# KiCad board EndGame.kicad_pcb (continued)
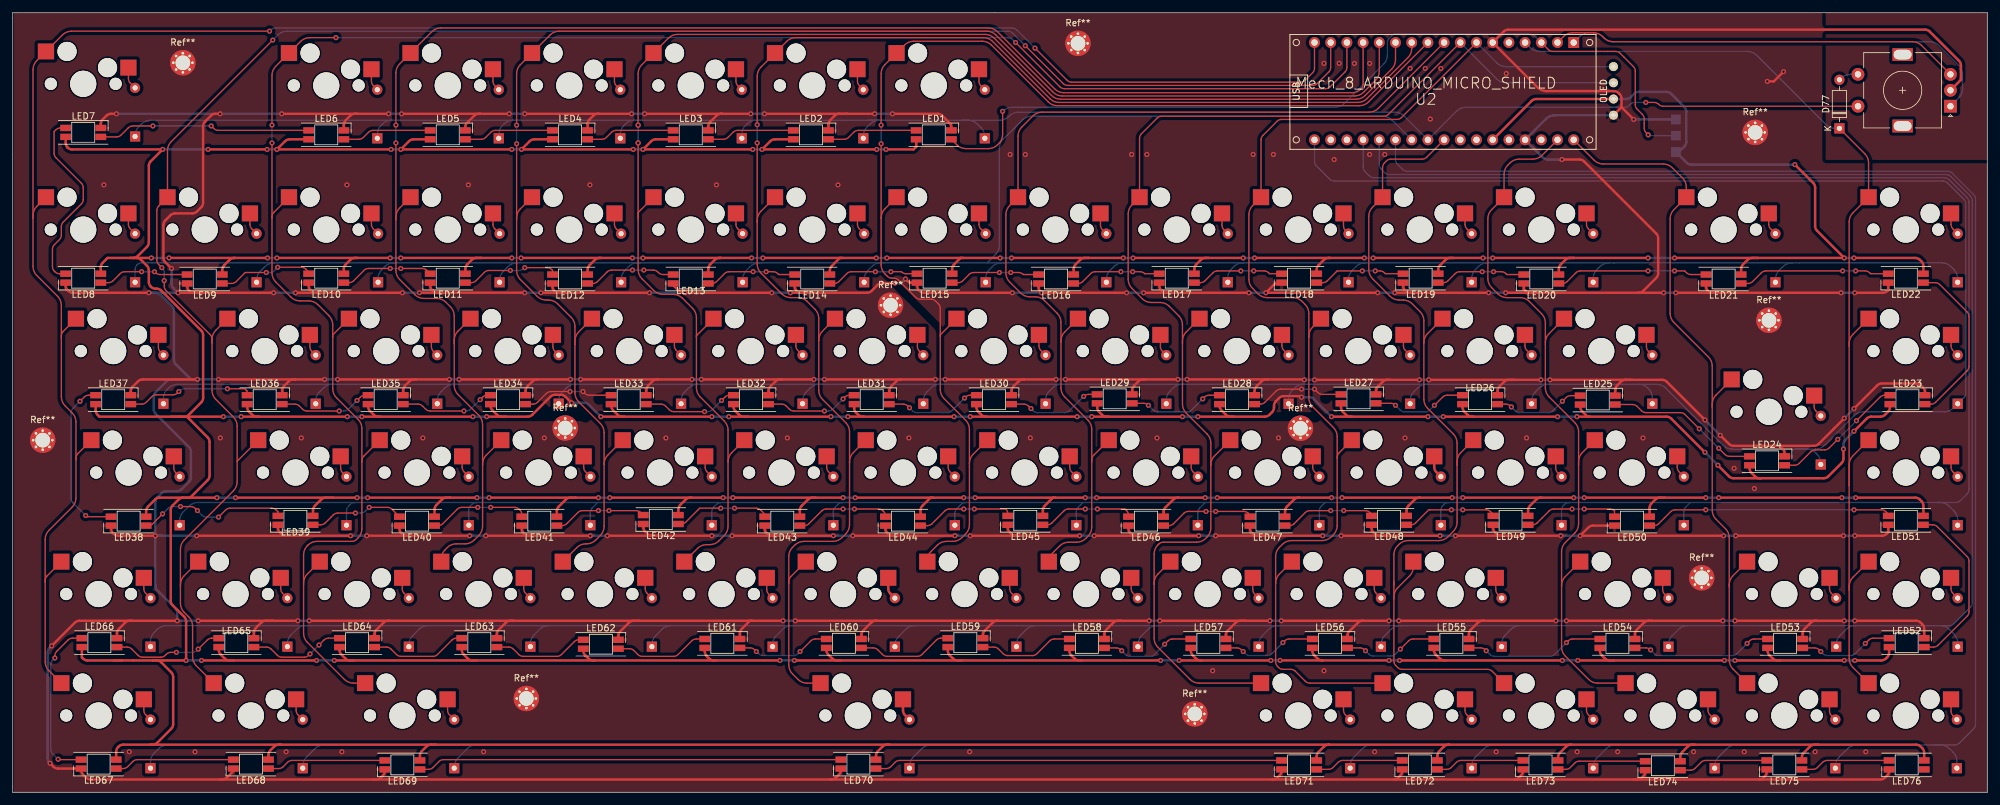
[diagram p0: board, top side]
## Routing (per net, layer and track width the routed paths; a pad name or vN(x,y) marks a point on that pad's centre or on a via; arc(x,y) is an arc through that point) (continued)
Col1: length 330.1
  Top w0.2: 7.62,71.22 7.62,62.01 arc(7.77,61.25) 8.21,60.6 9.32,59.48 arc(9.75,58.83) 9.91,58.07 9.91,52.17 ; 7.62,71.22 7.62,71.56 arc(7.7,71.95) 7.91,72.27 SW23.2 ; 7.62,71.22 7.62,76.36 arc(7.47,77.12) 7.03,77.77 3.76,81.04 arc(3.33,81.69) 3.17,82.46 3.17,90.01 ; 9.91,52.17 9.91,52.39 arc(9.98,52.77) 10.2,53.09 SW38.2 ; 9.91,52.17 9.91,46.14 arc(9.75,45.37) 9.32,44.72 5.67,41.07 arc(5.23,40.42) 5.08,39.65 5.08,32.99 ; 3.17,90.01 3.17,113.31 arc(3.33,114.08) 3.76,114.73 SW1.2 7.8,118.76 arc(8.45,119.2) 9.21,119.35 v1(40.26,119.35) ; 3.17,90.01 3.17,90.45 arc(3.33,91.22) 3.76,91.87 SW8.2 ; v1(160.27,116.68) 165.32,111.64 arc(165.64,111.42) 166.02,111.35 201.9,111.35 arc(202.28,111.42) 202.6,111.64 203.8,112.83 arc(204.01,113.16) 204.09,113.54 U2.12 ; 5.08,32.99 5.08,33.21 arc(5.16,33.59) 5.37,33.92 SW52.2 ; 5.08,32.99 5.08,20.48 arc(5.23,19.72) 5.67,19.07 7.62,17.11
  Bottom w0.2: v1(40.26,119.35) 40.47,119.56 arc(40.8,119.78) 41.18,119.86 156.68,119.86 arc(157.07,119.78) 157.39,119.56 v1(160.27,116.68)
Col2: length 308.1
  Top w0.2: 26.29,32.35 26.29,29.63 arc(26.44,28.86) 26.87,28.21 27.61,27.48 arc(28.04,26.83) 28.19,26.06 28.19,21.24 arc(28.35,20.48) 28.78,19.83 31.5,17.11 ; 26.29,32.35 26.29,32.54 arc(26.44,33.31) 26.87,33.96 SW53.2 ; 26.29,32.35 26.29,38.13 arc(26.44,38.89) 26.87,39.54 34.59,47.26 arc(35.03,47.91) 35.18,48.68 35.18,51.91 ; v1(23.37,82.26) 22.88,82.75 arc(22.66,83.08) 22.59,83.46 22.59,91.23 arc(22.66,91.61) 22.88,91.94 SW9.2 24.26,100.61 arc(24.41,101.38) 24.84,102.03 v1(40.77,117.95) ; 35.18,51.91 35.18,57.43 arc(35.03,58.2) 34.59,58.85 31.83,61.61 arc(31.39,62.26) 31.24,63.03 31.24,70.45 ; 35.18,51.91 SW39.2 ; SW24.2 31.83,72.44 arc(31.39,71.79) 31.24,71.02 31.24,70.83 ; 31.24,70.83 31.24,71.06 arc(31.17,71.44) 30.95,71.76 24.04,78.67 arc(23.83,78.99) 23.75,79.38 v1(23.75,80.23) ; 31.24,70.83 31.24,70.45 ; 31.24,71.15 31.24,70.45 ; 206.63,117.57 206.63,113.67 arc(206.55,113.28) 206.34,112.96 204.51,111.13 arc(204.18,110.92) 203.8,110.84 165.39,110.84 arc(165,110.92) 164.68,111.13 v1(158.75,117.06)
  Bottom w0.2: v1(23.37,82.26) 23.46,82.18 arc(23.67,81.85) 23.75,81.47 v1(23.75,80.23) ; v1(158.75,117.06) 156.76,119.06 arc(156.43,119.27) 156.05,119.35 42.99,119.35 arc(42.23,119.2) 41.58,118.76 v1(40.77,117.95)
Col3: length 312.6
  Top w0.2: 40.64,90.01 40.64,81.44 arc(40.79,80.68) 41.23,80.03 43.61,77.64 arc(44.26,77.21) 45.02,77.06 46.42,77.06 arc(47.18,76.91) 47.83,76.47 49.58,74.72 arc(50.01,74.07) 50.16,73.31 50.16,71.34 ; 40.64,90.01 v1(40.64,101.82) ; 40.64,90.01 40.64,90.23 arc(40.72,90.61) 40.93,90.94 SW10.2 ; 50.16,71.34 50.16,63.28 arc(50.32,62.52) 50.75,61.87 54.15,58.47 arc(54.58,57.82) 54.74,57.05 54.74,51.78 ; 50.16,71.34 50.16,71.72 SW25.2 ; 54.74,51.78 54.74,41.31 arc(54.58,40.54) 54.15,39.9 53.89,39.63 arc(53.56,39.41) 53.18,39.34 47.69,39.34 arc(46.93,39.19) 46.28,38.75 46.18,38.65 arc(45.75,38.01) 45.59,37.24 45.59,32.61 ; 54.74,51.78 54.74,52.01 arc(54.81,52.39) 55.03,52.71 SW40.2 ; 45.59,32.61 45.59,24.93 arc(45.75,24.16) 46.18,23.51 51.99,17.7 arc(52.64,17.27) 53.41,17.11 55.24,17.11 ; 45.59,32.61 45.59,32.79 arc(45.75,33.56) 46.18,34.21 SW54.2 ; v1(50.67,118.33) 46.55,118.33 arc(45.78,118.18) 45.13,117.75 SW2.2 41.23,113.84 arc(40.79,113.19) 40.64,112.42 v1(40.64,104.62) ; 209.17,117.57 209.17,113.67 arc(209.09,113.28) 208.88,112.96 206.54,110.62 arc(206.22,110.41) 205.83,110.33 164.88,110.33 arc(164.5,110.41) 164.17,110.62 v1(157.23,117.57)
  Bottom w0.2: v1(40.64,104.62) v1(40.64,101.82) ; v1(157.23,117.57) 156.76,118.04 arc(156.43,118.26) 156.05,118.33 v1(50.67,118.33)
Col4: length 268.5
  Top w0.2: 73.66,51.28 73.66,41.69 arc(73.51,40.93) 73.07,40.28 72.34,39.54 arc(71.69,39.11) 70.93,38.96 69.54,38.96 arc(68.77,38.81) 68.12,38.37 67.77,38.02 arc(67.34,37.37) 67.18,36.6 SW55.2 ; 73.66,51.28 73.66,51.46 arc(73.81,52.23) 74.25,52.88 SW41.2 ; 73.66,51.28 73.66,57.69 arc(73.51,58.45) 73.07,59.1 69.8,62.37 arc(69.37,63.02) 69.22,63.79 69.22,70.33 ; 60.07,89.76 60.07,90.2 arc(60.22,90.96) 60.66,91.61 SW11.2 ; 60.07,89.76 v1(60.07,101.82) ; 60.07,89.76 60.07,81.82 arc(60.22,81.06) 60.66,80.41 63.04,78.02 arc(63.69,77.59) 64.46,77.44 66.48,77.44 arc(67.25,77.29) 67.9,76.85 68.63,76.12 arc(69.06,75.47) 69.22,74.7 69.22,70.33 ; 69.22,70.33 69.22,70.89 arc(69.37,71.66) 69.8,72.31 SW26.2 ; U2.9 211.71,111 arc(211.63,110.62) 211.42,110.29 211.41,110.28 arc(210.76,109.85) 209.99,109.7 164.79,109.7 arc(164.02,109.85) 163.37,110.28 154.38,119.27 arc(153.73,119.7) 152.97,119.86 67.12,119.86 arc(66.36,119.7) 65.71,119.27 SW3.2 60.66,114.22 arc(60.22,113.57) 60.07,112.8 v1(60.07,104.62)
  Bottom w0.2: v1(60.07,104.62) v1(60.07,101.82)
Col5: length 249.5
  Top w0.2: 92.71,51.4 92.71,51.46 arc(92.86,52.23) 93.3,52.88 SW42.2 ; 92.71,51.4 92.71,41.69 arc(92.56,40.93) 92.12,40.28 91.39,39.54 arc(90.74,39.11) 89.98,38.96 89.86,38.96 arc(89.09,38.81) 88.44,38.37 SW56.2 ; 92.71,51.4 92.71,56.42 arc(92.56,57.18) 92.12,57.83 88.72,61.23 arc(88.29,61.88) 88.14,62.65 88.14,70.2 ; 88.14,70.2 88.14,73.05 arc(87.99,73.82) 87.55,74.47 85.42,76.6 arc(84.77,77.03) 84.01,77.18 83.63,77.18 arc(82.87,77.34) 82.22,77.77 79.58,80.41 arc(79.15,81.06) 78.99,81.82 78.99,89.88 ; 88.14,70.2 88.14,70.77 arc(88.29,71.53) 88.72,72.18 SW27.2 ; 214.25,117.57 214.25,113.06 arc(214.1,112.3) 213.66,111.65 211.79,109.77 arc(211.14,109.34) 210.37,109.19 164.53,109.19 arc(163.77,109.34) 163.12,109.77 154.13,118.76 arc(153.48,119.2) 152.71,119.35 85.66,119.35 arc(84.9,119.2) 84.25,118.76 79.58,114.09 arc(79.15,113.44) 78.99,112.68 v1(78.99,104.62) ; v1(78.99,101.7) 78.99,89.88 ; 78.99,89.88 78.99,90.07 arc(79.15,90.84) 79.58,91.49 81.41,93.31
  Bottom w0.2: v1(78.99,104.62) v1(78.99,101.7)
Col6: length 232.3
  Top w0.2: 112.14,51.78 112.14,56.8 arc(111.99,57.56) 111.56,58.21 107.77,61.99 arc(107.34,62.64) 107.19,63.41 107.19,71.34 ; 112.14,51.78 112.14,51.84 arc(112.29,52.61) 112.73,53.26 SW43.2 ; 112.14,51.78 112.14,41.69 arc(111.99,40.93) 111.56,40.28 110.69,39.42 arc(110.05,38.98) 109.28,38.83 108.78,38.83 arc(108.01,38.68) 107.36,38.24 SW57.2 ; SW28.2 107.19,71.6 107.19,71.34 ; 107.19,71.34 107.19,74.45 arc(107.04,75.22) 106.6,75.87 104.98,77.49 arc(104.33,77.92) 103.57,78.07 101.92,78.07 arc(101.16,78.23) 100.51,78.66 98.63,80.54 arc(98.2,81.18) 98.04,81.95 98.04,89.88 ; 98.04,89.88 98.04,90.27 ; 98.04,89.88 98.04,90.9 ; 100.46,93.31 98.04,90.9 ; 98.04,90.9 98.04,90.27 ; 98.04,90.27 v1(98.04,101.82) ; U2.7 216.79,114.84 arc(216.64,114.08) 216.2,113.43 212.04,109.27 arc(211.39,108.83) 210.63,108.68 164.28,108.68 arc(163.51,108.83) 162.86,109.27 153.87,118.25 arc(153.23,118.69) 152.46,118.84 104.21,118.84 arc(103.44,118.69) 102.79,118.25 98.63,114.09 arc(98.2,113.44) 98.04,112.68 v1(98.04,104.62)
  Bottom w0.2: v1(98.04,104.62) v1(98.04,101.82)
Col7: length 245.8
  Top w0.2: U2.6 219.33,116.62 arc(219.18,115.86) 218.74,115.21 212.29,108.76 arc(211.65,108.32) 210.88,108.17 164.02,108.17 arc(163.26,108.32) 162.61,108.76 153.62,117.75 arc(152.97,118.18) 152.21,118.33 122.75,118.33 arc(121.98,118.18) 121.33,117.75 SW6.2 117.3,113.71 arc(116.87,113.06) 116.71,112.3 v1(116.71,104.68) ; 131.19,51.66 131.19,41.94 arc(131.04,41.18) 130.61,40.53 130,39.92 arc(129.35,39.49) 128.58,39.34 124.02,39.34 arc(123.25,39.19) 122.6,38.75 122.25,38.4 arc(121.82,37.75) 121.67,36.99 121.67,32.73 ; 131.19,51.66 131.19,51.84 arc(131.34,52.61) 131.78,53.26 SW44.2 ; 131.19,51.66 131.19,56.54 arc(131.04,57.31) 130.61,57.96 126.95,61.61 arc(126.52,62.26) 126.36,63.03 126.36,70.83 ; 126.36,70.83 126.36,70.89 arc(126.52,71.66) 126.95,72.31 SW29.2 ; 126.36,70.83 126.36,74.32 arc(126.21,75.09) 125.78,75.74 124.54,76.98 arc(123.89,77.41) 123.12,77.57 121.99,77.57 arc(121.22,77.72) 120.57,78.15 117.3,81.42 arc(116.87,82.07) 116.71,82.84 116.71,89.38 ; 126.65,17.11 124.53,17.11 arc(123.76,17.27) 123.11,17.7 122.25,18.56 arc(121.82,19.21) 121.67,19.97 121.67,32.73 ; SW14.2 117.3,91.11 arc(116.87,90.46) 116.71,89.69 116.71,89.38 ; 121.67,32.73 121.67,33.08 arc(121.74,33.46) 121.96,33.79 SW58.2 ; v1(116.71,101.82) 116.71,89.38
  Bottom w0.2: v1(116.71,104.68) v1(116.71,101.82)
Col8: length 160.5
  Top w0.2: 162.43,36.16 162.43,36.51 arc(162.51,36.89) 162.73,37.22 164.13,38.63 arc(164.78,39.06) 165.55,39.21 166.81,39.21 arc(167.58,39.36) 168.23,39.8 168.58,40.15 arc(169.01,40.8) 169.16,41.56 169.16,51.78 ; 169.16,51.78 169.16,52.13 arc(169.24,52.51) 169.46,52.84 SW46.2 ; 169.16,51.78 169.16,56.92 arc(169.01,57.69) 168.58,58.34 164.92,61.99 arc(164.49,62.64) 164.34,63.41 164.34,70.58 ; 164.34,70.58 164.34,73.69 arc(164.19,74.45) 163.75,75.1 161.75,77.11 arc(161.1,77.54) 160.33,77.69 159.45,77.69 arc(158.69,77.84) 158.04,78.28 156.29,80.03 arc(155.85,80.68) 155.7,81.44 155.7,90.58 arc(155.85,91.35) 156.29,91.99 SW16.2 157.61,102.9 arc(157.76,103.66) 158.19,104.31 159.94,106.06 arc(160.59,106.5) 161.36,106.65 212.66,106.65 arc(213.42,106.8) 214.07,107.23 U2.4 ; 164.34,70.58 164.34,70.77 arc(164.49,71.53) 164.92,72.18 167,74.26
Col9: length 196.8
  Top w0.2: 149.99,51.59 149.99,56.92 arc(149.83,57.69) 149.4,58.34 146,61.74 arc(145.57,62.39) 145.42,63.15 145.42,71.47 ; 149.99,51.59 149.99,41.94 arc(149.83,41.18) 149.4,40.53 148.79,39.92 arc(148.15,39.49) 147.38,39.34 146.37,39.34 arc(145.61,39.19) 144.96,38.75 143.97,37.77 arc(143.54,37.12) 143.38,36.35 SW59.2 ; 149.99,51.59 arc(150.14,52.36) 150.57,53.01 SW45.2 ; 136.14,90.01 136.14,90.07 arc(136.3,90.84) 136.73,91.49 138.56,93.31 ; 136.14,90.01 136.14,82.71 arc(136.3,81.95) 136.73,81.3 137.12,80.91 arc(137.45,80.69) 137.83,80.61 138.14,80.61 arc(138.53,80.54) 138.85,80.32 141.57,77.6 arc(141.89,77.39) 142.27,77.31 143.98,77.31 arc(144.37,77.24) 144.69,77.02 145.12,76.59 arc(145.34,76.26) 145.42,75.88 145.42,71.47 ; 136.14,90.01 v1(136.14,101.7) ; 145.42,71.47 145.42,71.72 SW30.2 ; 221.87,117.57 212.55,108.25 arc(211.9,107.82) 211.13,107.66 163.77,107.66 arc(163,107.82) 162.36,108.25 153.42,117.18 arc(152.77,117.62) 152.01,117.77 141.24,117.77 arc(140.47,117.62) 139.82,117.18 136.73,114.09 arc(136.3,113.44) 136.14,112.68 v1(136.14,104.62)
  Bottom w0.2: v1(136.14,101.7) v1(136.14,104.62)
Col10: length 210.6
  Top w0.2: 178.94,32.61 178.94,32.79 arc(179.1,33.56) 179.53,34.21 SW61.2 ; 178.94,32.61 178.94,37.37 arc(179.1,38.13) 179.53,38.78 179.67,38.92 arc(179.99,39.14) 180.37,39.21 185.61,39.21 arc(186.37,39.36) 187.02,39.8 187.25,40.02 arc(187.68,40.67) 187.83,41.44 187.83,51.28 ; 178.94,32.61 178.94,24.16 arc(179.1,23.4) 179.53,22.75 184.58,17.7 arc(185.23,17.27) 185.99,17.11 195.71,17.11 ; 187.83,51.28 187.83,51.34 arc(187.99,52.1) 188.42,52.75 SW47.2 ; 187.83,51.28 187.83,54.77 arc(187.68,55.53) 187.25,56.18 183.97,59.45 arc(183.54,60.1) 183.39,60.87 183.39,70.33 ; 183.39,70.33 183.39,73.31 arc(183.24,74.07) 182.8,74.72 181.31,76.22 arc(180.66,76.65) 179.89,76.8 178.5,76.8 arc(177.74,76.96) 177.09,77.39 175.46,79.01 arc(175.03,79.66) 174.88,80.43 174.88,90.71 arc(175.03,91.47) 175.46,92.12 SW17.2 176.66,102.55 arc(176.73,102.93) 176.95,103.26 179.41,105.72 arc(179.74,105.94) 180.12,106.01 214.98,106.01 arc(215.36,106.09) 215.68,106.31 U2.3 ; 183.39,70.33 183.39,70.77 arc(183.54,71.53) 183.97,72.18 SW32.2
  Bottom w0.2: U2.3 232.68,111.84 arc(233.33,111.4) 234.1,111.25 OL1.3
Col11: length 191.7
  Top w0.2: 229.49,117.57 217.72,105.8 arc(217.39,105.58) 217.01,105.51 198.92,105.51 arc(198.53,105.43) 198.21,105.21 196,103 arc(195.78,102.68) 195.71,102.3 SW18.2 194.39,91.99 arc(193.95,91.35) 193.8,90.58 193.8,80.43 arc(193.95,79.66) 194.39,79.01 195.25,78.15 arc(195.9,77.72) 196.66,77.57 200.72,77.57 arc(201.49,77.41) 202.13,76.98 202.61,76.5 arc(203.05,75.85) 203.2,75.09 203.2,71.34 ; 207.64,52.42 207.64,55.78 arc(207.49,56.55) 207.06,57.2 203.79,60.47 arc(203.35,61.12) 203.2,61.88 203.2,71.34 ; 207.64,52.42 207.64,52.51 arc(207.72,52.9) 207.94,53.22 SW48.2 ; 207.64,52.42 207.64,41.82 arc(207.49,41.05) 207.06,40.4 206.71,40.05 arc(206.06,39.62) 205.29,39.47 200.47,39.47 arc(199.71,39.31) 199.06,38.88 198.58,38.4 arc(198.15,37.75) 197.99,36.99 197.99,32.73 ; 197.99,32.73 197.99,32.79 arc(198.15,33.56) 198.58,34.21 200.53,36.16 ; 197.99,32.73 197.99,20.45 arc(198.07,20.07) 198.29,19.74 198.46,19.57 arc(198.79,19.35) 199.17,19.27 200.37,19.27 arc(200.76,19.2) 201.08,18.98 202.65,17.41 arc(202.98,17.19) 203.36,17.11 214.76,17.11 ; 203.2,71.34 203.2,71.53 arc(203.35,72.3) 203.79,72.94 205.11,74.26
  Bottom w0.2: 229.49,117.57 232.68,114.38 arc(233.33,113.94) 234.1,113.79 OL1.4
Col12: length 140.1
  Top w0.2: SW63.2 219.58,35.34 arc(219.43,34.58) 219,33.93 217.12,32.05 arc(216.69,31.4) 216.54,30.64 216.54,30.32 ; 221.23,70.45 221.23,73.94 arc(221.08,74.71) 220.65,75.36 219.41,76.6 arc(218.76,77.03) 217.99,77.18 217.36,77.18 arc(216.6,77.34) 215.95,77.77 213.18,80.54 arc(212.75,81.18) 212.6,81.95 212.6,90.33 arc(212.75,91.09) 213.18,91.74 SW19.2 214.76,97.98 arc(214.83,98.36) 215.05,98.69 215.35,98.99 arc(215.68,99.21) 216.06,99.28 220.96,99.28 arc(221.35,99.36) 221.67,99.58 U2.A5 ; 221.23,70.45 221.23,70.51 arc(221.39,71.28) 221.82,71.93 SW34.2 ; 221.23,70.45 221.23,61.63 arc(221.39,60.86) 221.82,60.22 225.86,56.18 arc(226.29,55.53) 226.44,54.77 226.44,51.28 ; 233.81,17.11 231.94,18.98 arc(231.62,19.2) 231.23,19.27 217.84,19.27 arc(217.46,19.35) 217.13,19.57 216.83,19.87 arc(216.61,20.19) 216.54,20.58 216.54,30.32 ; 226.44,51.28 226.44,51.84 arc(226.59,52.61) 227.03,53.26 SW49.2 ; 226.44,51.28 226.44,42.33 arc(226.29,41.56) 225.86,40.91 224.99,40.05 arc(224.35,39.62) 223.58,39.47 218.76,39.47 arc(218,39.31) 217.35,38.88 217.12,38.65 arc(216.69,38.01) 216.54,37.24 216.54,32.48 ; 216.54,32.48 216.54,30.32 ; 216.54,32.48 216.54,33.12
Col13: length 121.9
  Top w0.2: 242.82,32.35 242.82,37.75 arc(242.98,38.51) 243.41,39.16 244.91,40.66 arc(245.34,41.31) 245.49,42.07 245.49,51.28 ; 242.82,32.35 242.82,22.77 arc(242.98,22) 243.41,21.35 247.06,17.7 arc(247.71,17.27) 248.48,17.11 252.86,17.11 ; 242.82,32.35 242.82,32.41 arc(242.98,33.18) 243.41,33.83 SW64.2 ; 242.19,102.31 239.74,99.87 arc(239.09,99.43) 238.33,99.28 236.16,99.28 arc(235.39,99.13) 234.75,98.7 234.39,98.34 arc(233.96,97.7) 233.81,96.93 SW20.2 231.85,91.36 arc(231.42,90.71) 231.27,89.94 231.27,80.55 arc(231.42,79.79) 231.85,79.14 232.84,78.15 arc(233.49,77.72) 234.25,77.57 236.34,77.57 arc(237.11,77.41) 237.76,76.98 239.7,75.04 arc(240.13,74.39) 240.28,73.62 240.28,70.51 ; SW35.2 240.87,71.93 arc(240.44,71.28) 240.28,70.51 ; 245.49,51.28 245.49,56.54 arc(245.34,57.31) 244.91,57.96 240.87,61.99 arc(240.44,62.64) 240.28,63.41 240.28,70.51 ; 245.49,51.28 245.49,51.84 arc(245.64,52.61) 246.08,53.26 SW50.2
Col14: length 114.8
  Top w0.2: 266.45,60.42 266.45,60.86 arc(266.6,61.63) 267.03,62.28 SW36.2 ; 266.45,60.42 266.45,66.83 arc(266.29,67.6) 265.86,68.25 260.43,73.68 arc(259.99,74.33) 259.84,75.09 259.84,89.94 arc(259.99,90.71) 260.43,91.36 SW21.2 262.38,94.9 arc(262.23,95.66) 261.8,96.31 260.17,97.93 arc(259.52,98.37) 258.76,98.52 249.35,98.52 arc(248.59,98.67) 247.94,99.11 U2.SCK ; 266.45,60.42 266.45,44.23 arc(266.6,43.47) 267.03,42.82 268.53,41.32 arc(268.96,40.67) 269.11,39.91 269.11,32.23 ; 269.11,32.23 269.11,32.54 arc(269.27,33.31) 269.7,33.96 SW65.2 ; 269.11,32.23 269.11,20.74 arc(269.27,19.97) 269.7,19.32 271.91,17.11
Col15: length 165.2
  Top w0.2: 287.91,69.95 287.91,89.44 arc(288.06,90.2) 288.49,90.85 SW22.2 290.96,98.71 arc(290.8,99.47) 290.37,100.12 D77.1 ; 287.91,69.95 287.91,48.1 ; 287.91,69.95 287.91,70.39 arc(288.06,71.15) 288.49,71.8 SW37.2 ; 287.91,48.1 287.91,51.34 arc(288.06,52.1) 288.49,52.75 SW51.2 ; 287.91,48.1 287.91,31.72 ; 287.91,31.72 287.91,20.99 arc(288.06,20.22) 288.49,19.58 290.96,17.11 ; 287.91,31.72 287.91,32.29 arc(288.06,33.05) 288.49,33.7 SW66.2
  Bottom w0.2: D77.1 285.69,104.11 arc(284.92,104.26) 284.28,104.69 273.38,115.59 arc(272.73,116.02) 271.97,116.17 239.33,116.17 arc(238.57,116.33) 237.92,116.76 237.11,117.57
en1: length 64.6
  Top w0.2: 242.19,117.57 243.13,118.51 arc(243.78,118.94) 244.54,119.09 247.84,119.09 arc(248.6,118.94) 249.25,118.51 249.48,118.28 arc(250.13,117.85) 250.89,117.7 297.85,117.7 arc(298.61,117.55) 299.26,117.11 SW77.B
en2: length 70
  Bottom w0.2: SW77.A 305.1,108.89 arc(305.54,109.53) 305.69,110.3 305.69,112.55 arc(305.54,113.32) 305.1,113.97 301.96,117.11 arc(301.31,117.55) 300.54,117.7 250.89,117.7 arc(250.13,117.85) 249.48,118.28 249.25,118.51 arc(248.6,118.94) 247.84,119.09 247.08,119.09 arc(246.32,118.94) 245.67,118.51 U2.MO
LED: length 136.7
  Top w0.2: U2.TX 240.75,116.47 arc(241.08,116.25) 241.46,116.17 251.3,116.17 arc(251.68,116.1) 252.01,115.88 254.09,113.8 arc(254.3,113.47) 254.38,113.09 254.38,107.82 arc(254.46,107.44) 254.67,107.12 255.49,106.31 arc(255.7,105.98) 255.78,105.6 255.78,104.14 arc(255.85,103.76) 256.07,103.43 v1(256.41,103.09) ; LED1.4 148.02,101.52 arc(148.67,101.09) 149.44,100.93 152.97,100.93 arc(153.73,101.09) 154.38,101.52 154.61,101.74 arc(155.04,102.39) 155.19,103.16 v1(155.19,106.78)
  Bottom w0.2: v1(256.41,103.09) 256.54,102.97 260.73,102.97 ; v1(155.19,106.78) 155.24,106.82 arc(155.89,107.26) 156.66,107.41 207.32,107.41 arc(208.09,107.56) 208.74,108 214.93,114.19 arc(215.37,114.84) 215.52,115.6 215.52,117.51 arc(215.6,117.9) 215.81,118.22 216.27,118.67 arc(216.59,118.89) 216.97,118.97 237.42,118.97 arc(238.19,118.82) 238.84,118.38 U2.TX
Row1: length 306.6
  Top w0.2: v1(256.03,108.17) 257.34,108.17 arc(257.72,108.1) 258.04,107.88 258.05,107.87 arc(258.38,107.65) 258.76,107.58 SW77.S2
  Bottom w0.2: 98.17,105.38 79.12,105.38 ; 98.17,105.38 117.22,105.38 ; 98.17,105.38 97.48,105.38 arc(96.71,105.23) 96.06,104.79 95.84,104.57 arc(95.4,103.92) 95.25,103.15 D4.1 ; 59.82,105.38 21.6,105.38 arc(20.83,105.23) 20.18,104.79 19.76,104.37 arc(19.33,103.72) 19.18,102.96 D1.1 ; 59.82,105.38 59.38,105.38 arc(58.61,105.23) 57.96,104.79 57.74,104.57 arc(57.3,103.92) 57.15,103.15 D2.1 ; 59.82,105.38 79.12,105.38 ; 79.12,105.38 78.43,105.38 arc(77.66,105.23) 77.01,104.79 76.79,104.57 arc(76.35,103.92) 76.2,103.15 D3.1 ; 117.22,105.38 136.14,105.38 135.83,105.38 arc(135.06,105.23) 134.42,104.79 133.94,104.31 arc(133.5,103.66) 133.35,102.9 D6.1 ; 117.22,105.38 116.53,105.38 arc(115.76,105.23) 115.11,104.79 114.89,104.57 arc(114.45,103.92) 114.3,103.15 D5.1 ; D7.1 152.4,102.77 arc(152.25,103.54) 151.81,104.19 151.21,104.79 arc(150.56,105.23) 149.79,105.38 148.84,105.38 ; v1(256.03,108.17) 254.29,108.17 arc(253.9,108.1) 253.58,107.88 253.4,107.7 arc(253.08,107.49) 252.7,107.41 227.79,107.41 arc(227.03,107.26) 226.38,106.82 221.87,102.31 218.12,106.06 arc(217.47,106.5) 216.71,106.65 157.67,106.65 arc(156.91,106.5) 156.26,106.06 156.16,105.96 arc(155.51,105.53) 154.75,105.38 148.84,105.38 ; 148.84,105.38 133.99,105.38
Row2: length 442.6
  Bottom w0.2: 41.53,83.03 20.23,83.03 arc(19.84,82.95) 19.52,82.73 19.47,82.68 arc(19.25,82.36) 19.18,81.98 D8.1 ; 41.53,83.03 60.2,83.03 ; 41.53,83.03 40.96,83.03 arc(40.2,82.87) 39.55,82.44 38.81,81.71 arc(38.38,81.06) 38.23,80.29 D9.1 ; D22.1 304.93,80.55 arc(304.77,81.31) 304.34,81.96 303.86,82.44 arc(303.21,82.87) 302.45,83.03 280.16,83.03 ; 251.08,83.03 250.26,83.03 arc(249.49,82.87) 248.84,82.44 248.36,81.96 arc(247.93,81.31) 247.78,80.55 D20.1 ; 251.08,83.03 280.16,83.03 ; 251.08,83.03 231.9,83.03 ; 60.2,83.03 59.76,83.03 arc(58.99,82.87) 58.34,82.44 57.86,81.96 arc(57.43,81.31) 57.28,80.55 D10.1 ; 60.2,83.03 79.12,83.03 ; D15.1 152.53,80.55 arc(152.68,81.31) 153.11,81.96 153.59,82.44 arc(154.24,82.87) 155.01,83.03 155.45,83.03 ; 98.42,83.03 97.98,83.03 arc(97.22,82.87) 96.57,82.44 95.96,81.83 arc(95.53,81.19) 95.38,80.42 D12.1 ; 98.42,83.03 117.48,83.03 ; 98.42,83.03 79.12,83.03 ; 117.48,83.03 117.03,83.03 arc(116.27,82.87) 115.62,82.44 115.01,81.83 arc(114.58,81.19) 114.43,80.42 D13.1 ; 117.48,83.03 136.52,83.03 ; 152.78,83.03 154.1,84.35 arc(154.53,84.99) 154.69,85.76 154.69,100.99 arc(154.84,101.76) 155.27,102.41 158.29,105.43 arc(158.94,105.86) 159.71,106.01 214.8,106.01 arc(215.57,105.86) 216.22,105.43 U2.A3 ; 152.78,83.03 136.52,83.03 ; 152.78,83.03 155.45,83.03 ; D16.1 171.45,80.42 arc(171.6,81.19) 172.04,81.83 172.64,82.44 arc(173.29,82.87) 174.06,83.03 174.62,83.03 ; 193.8,83.03 192.85,83.03 arc(192.09,82.87) 191.44,82.44 191.09,82.09 arc(190.65,81.44) 190.5,80.67 D17.1 ; 193.8,83.03 174.62,83.03 ; 193.8,83.03 212.6,83.03 ; 136.52,83.03 136.08,83.03 arc(135.32,82.87) 134.67,82.44 134.06,81.83 arc(133.63,81.19) 133.48,80.42 D14.1 ; 155.45,83.03 174.62,83.03 ; 231.9,83.03 231.21,83.03 arc(230.44,82.87) 229.79,82.44 229.31,81.96 arc(228.88,81.31) 228.73,80.55 D19.1 ; 231.9,83.03 212.6,83.03 ; D18.1 209.42,80.42 arc(209.58,81.19) 210.01,81.83 210.62,82.44 arc(211.26,82.87) 212.03,83.03 212.6,83.03 ; 280.16,83.03 278.96,83.03 arc(278.19,82.87) 277.54,82.44 276.94,81.83 arc(276.5,81.19) 276.35,80.42 D21.1 ; D11.1 76.33,80.29 arc(76.48,81.06) 76.91,81.71 77.65,82.44 arc(78.3,82.87) 79.06,83.03 79.12,83.03
Row3: length 492.7
  Bottom w0.2: 145.67,63.98 145.35,63.98 arc(144.59,63.82) 143.94,63.39 143.33,62.78 arc(142.9,62.14) 142.75,61.37 D29.1 ; 145.67,63.98 164.59,63.98 ; 145.67,63.98 127,63.98 ; 164.59,63.98 164.4,63.98 arc(163.64,63.82) 162.99,63.39 162.51,62.91 arc(162.08,62.26) 161.93,61.5 D30.1 ; 164.59,63.98 183.64,63.98 ; 241.17,63.98 254.95,63.98 ; 241.17,63.98 221.87,63.98 ; 241.17,63.98 240.73,63.98 arc(239.97,63.82) 239.32,63.39 238.71,62.78 arc(238.28,62.14) 238.12,61.37 D34.1 ; 254.95,63.98 257.74,63.98 arc(258.51,63.82) 259.16,63.39 268.15,54.4 arc(268.8,53.97) 269.56,53.82 279.53,53.82 ; 254.95,63.98 arc(255.71,63.82) 256.36,63.39 256.46,63.29 arc(256.9,62.64) 257.05,61.88 D35.1 ; D28.1 123.83,61.37 arc(123.98,62.14) 124.41,62.78 125.02,63.39 arc(125.67,63.82) 126.43,63.98 127,63.98 ; D32.1 200.02,61.62 arc(200.18,62.39) 200.61,63.04 200.96,63.39 arc(201.61,63.82) 202.38,63.98 202.82,63.98 ; 88.27,63.98 107.57,63.98 ; 88.27,63.98 88.2,63.98 arc(87.44,63.82) 86.79,63.39 86.18,62.78 arc(85.75,62.14) 85.6,61.37 D26.1 ; 88.27,63.98 69.98,63.98 ; 107.57,63.98 127,63.98 ; 107.57,63.98 107.38,63.98 arc(106.62,63.82) 105.97,63.39 105.36,62.78 arc(104.93,62.14) 104.77,61.37 D27.1 ; 221.87,63.98 221.68,63.98 arc(220.92,63.82) 220.27,63.39 219.66,62.78 arc(219.23,62.14) 219.07,61.37 D33.1 ; 221.87,63.98 183.64,63.98 ; 279.53,53.82 281.24,53.82 arc(282,53.66) 282.65,53.23 282.88,53.01 arc(283.31,52.36) 283.46,51.59 D36.1 ; 279.53,53.82 282.64,53.82 arc(283.4,53.97) 284.05,54.4 288.72,59.07 arc(289.37,59.51) 290.13,59.66 302.83,59.66 arc(303.59,59.81) 304.24,60.24 D37.1 305.9,61.91 arc(306.12,62.23) 306.2,62.61 306.2,92.26 arc(306.12,92.65) 305.9,92.97 303.31,95.56 arc(302.99,95.78) 302.61,95.85 207.17,95.85 arc(206.79,95.93) 206.46,96.15 204.38,98.23 arc(204.17,98.55) 204.09,98.93 U2.13 ; 183.64,63.98 183.33,63.98 arc(182.56,63.82) 181.91,63.39 181.43,62.91 arc(181,62.26) 180.85,61.5 D31.1 ; 69.98,63.98 69.15,63.98 arc(68.39,63.82) 67.74,63.39 67.13,62.78 arc(66.7,62.14) 66.55,61.37 D25.1 ; 69.98,63.98 50.55,63.98 ; 50.55,63.98 50.1,63.98 arc(49.34,63.82) 48.69,63.39 48.08,62.78 arc(47.65,62.14) 47.5,61.37 D24.1 ; 50.55,63.98 25.85,63.98 arc(25.08,63.82) 24.43,63.39 24.21,63.17 arc(23.77,62.52) 23.62,61.75 D23.1
Row4: length 489.7
  Bottom w0.2: D47.1 204.85,44.13 arc(204.93,44.51) 205.14,44.84 205.74,45.43 205.99,45.43 ; D41.1 90.55,43.88 arc(90.63,44.26) 90.84,44.58 91.69,45.43 92.08,45.43 ; 225.55,45.43 225.08,45.43 arc(224.69,45.36) 224.37,45.14 224.19,44.97 arc(223.98,44.64) 223.9,44.26 D48.1 ; 225.55,45.43 208.53,45.43 ; 225.55,45.43 244.09,45.43 ; 72.9,45.43 54.23,45.43 ; 72.9,45.43 92.08,45.43 ; 72.9,45.43 72.68,45.43 arc(72.29,45.36) 71.97,45.14 71.79,44.97 arc(71.58,44.64) 71.5,44.26 D40.1 ; 92.08,45.43 111.25,45.43 ; 244.09,45.43 244,45.43 arc(243.62,45.36) 243.29,45.14 243.12,44.97 arc(242.9,44.64) 242.82,44.26 D49.1 ; 244.09,45.43 263.4,45.43 ; 205.99,45.43 187.2,45.43 ; 205.99,45.43 208.53,45.43 ; 130.18,45.43 111.25,45.43 ; 130.18,45.43 149.48,45.43 ; 130.18,45.43 130.08,45.43 arc(129.7,45.36) 129.37,45.14 128.94,44.71 arc(128.73,44.39) 128.65,44 D43.1 ; D45.1 166.75,44 arc(166.83,44.39) 167.04,44.71 167.77,45.43 168.15,45.43 ; 54.23,45.43 29.02,45.43 arc(28.26,45.28) 27.61,44.85 26.75,43.99 arc(26.31,43.34) 26.16,42.57 D38.1 ; 54.23,45.43 53.63,45.43 arc(53.24,45.36) 52.92,45.14 52.62,44.84 arc(52.4,44.51) 52.32,44.13 D39.1 ; 168.15,45.43 187.2,45.43 ; 168.15,45.43 149.48,45.43 ; 208.53,45.43 207.97,45.43 ; 263.4,45.43 301.75,45.43 ; 263.4,45.43 263.02,45.43 262.29,44.71 arc(262.08,44.39) 262,44 D50.1 ; 111.25,45.43 111.03,45.43 arc(110.65,45.36) 110.32,45.14 109.89,44.71 arc(109.68,44.39) 109.6,44 D42.1 ; U2.A0 211.71,98.05 arc(211.79,97.66) 212,97.34 212.69,96.65 arc(213.01,96.44) 213.39,96.36 302.86,96.36 arc(303.24,96.29) 303.57,96.07 306.41,93.23 arc(306.63,92.9) 306.7,92.52 306.7,47.5 arc(306.63,47.12) 306.41,46.79 305.35,45.73 arc(305.02,45.51) 304.64,45.43 301.75,45.43 ; D44.1 147.7,43.75 arc(147.78,44.13) 147.99,44.46 148.68,45.14 arc(149,45.36) 149.39,45.43 149.48,45.43 ; 187.2,45.43 186.94,45.43 186.09,44.58 arc(185.88,44.26) 185.8,43.88 D46.1 ; 301.75,45.43 302.19,45.43 arc(302.96,45.28) 303.61,44.85 304.34,44.12 arc(304.77,43.47) 304.93,42.7 D51.1